# Altium PCB PCB4 - kopia.PcbDoc (continued)
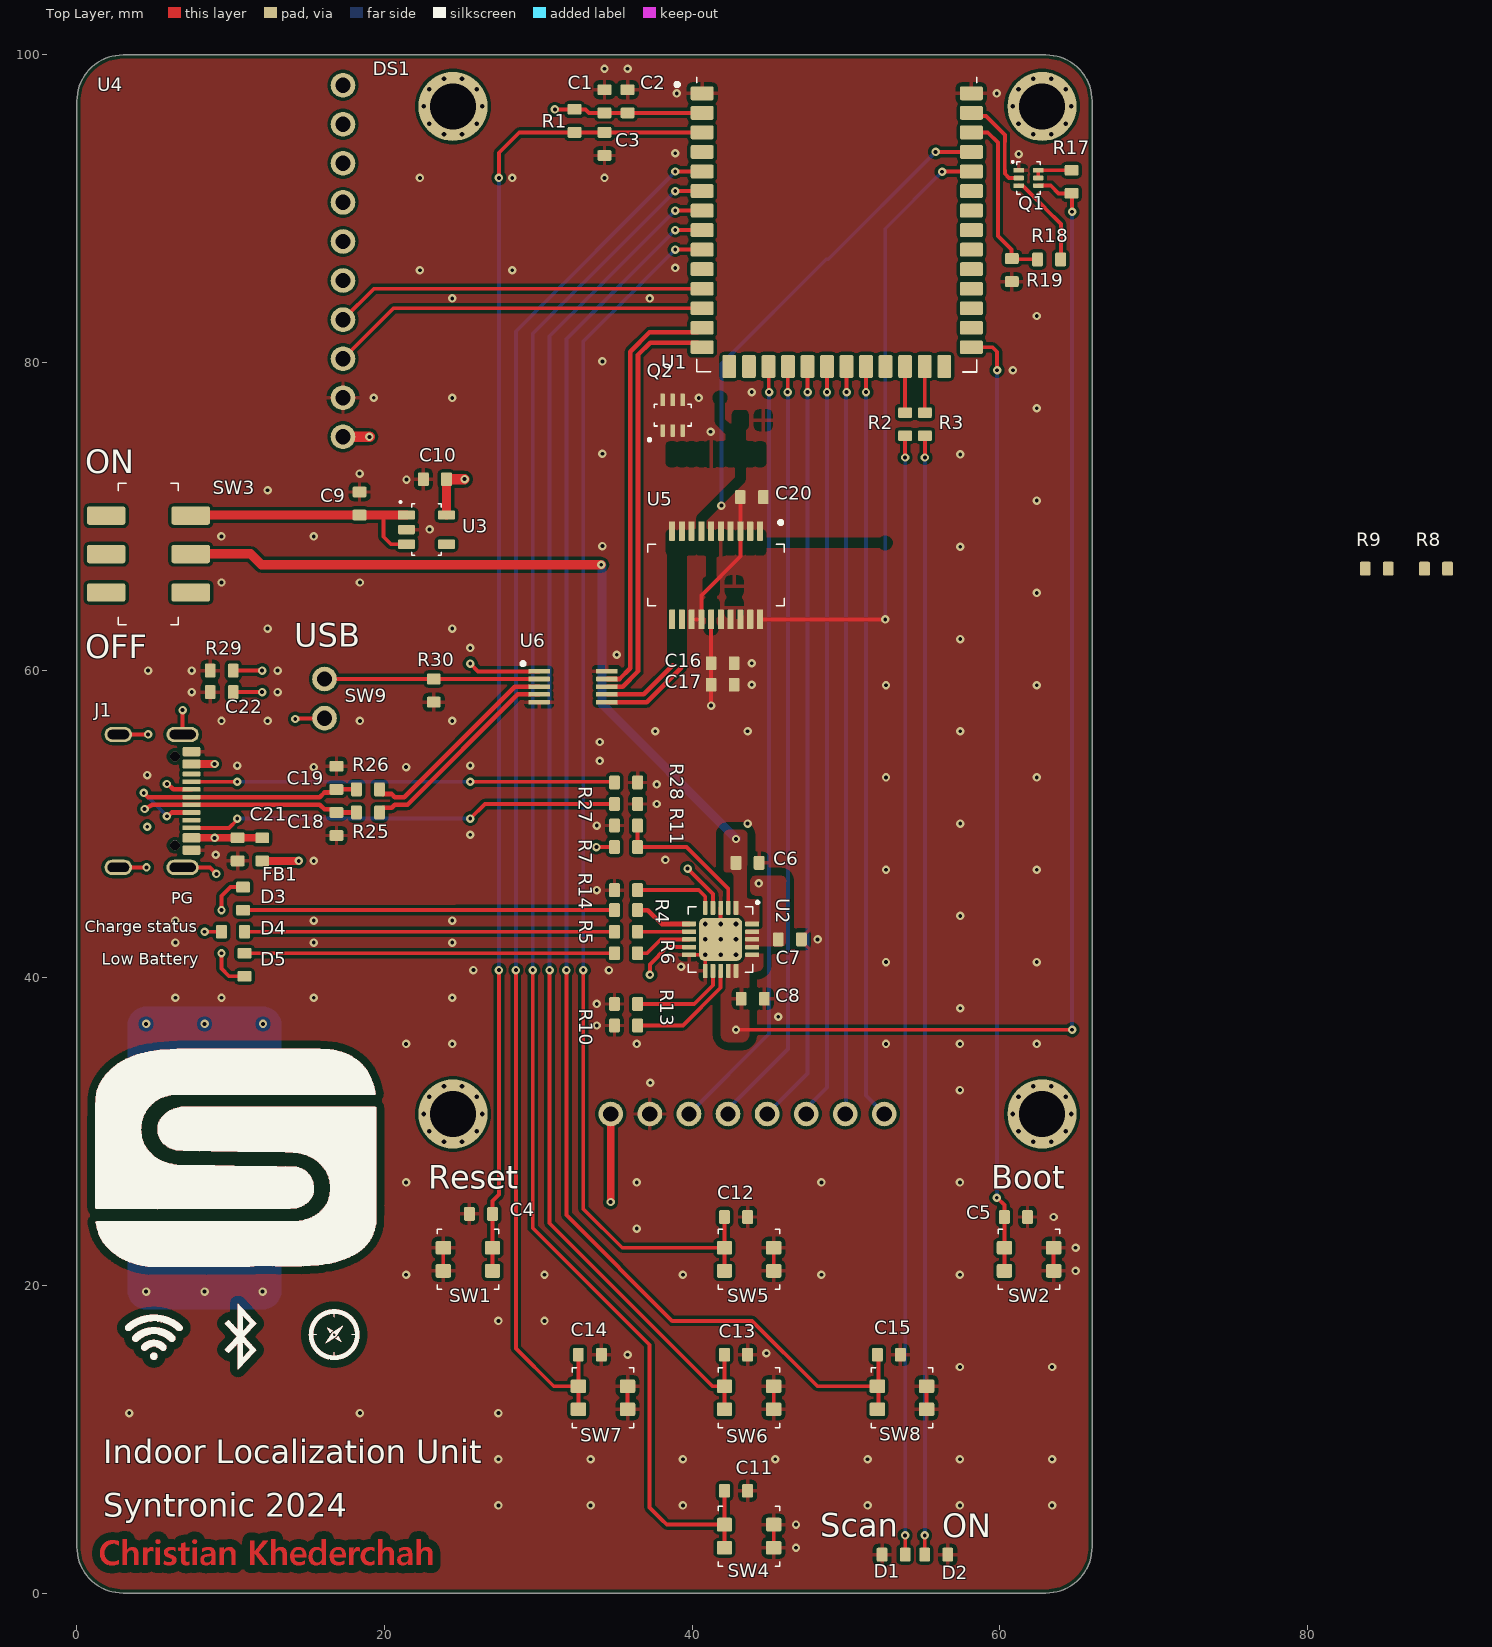
[diagram p0: Top Layer view]
## Components (designator, comment, footprint, x,y, rotation, side; value= is the part's Value field where it differs from the comment)
B1 "1200mAh" battery 8.3,28.3 r270 bottom
C1 "22 μF" "Capacitor 0603" 34.3,96.98 r270 top
C2 "0.1 μF" "Capacitor 0603" 35.8,96.98 r270 top
C3 "1 μF" "Capacitor 0603" 34.3,94.21 r90 top
C4 "0.1 μF" "Capacitor 0603" 26.27,24.65 r0 top
C5 "0.1 μF" "Capacitor 0603" 61.05,24.45 r0 top
C6 "4.7 μF" "Capacitor 0603" 43.6,47.475 r180 top
C7 "10 μF" "Capacitor 0603" 46.35,42.5 r180 top
C8 "4.7 μF" "Capacitor 0603" 43.939,38.637 r0 top
C9 "4.7 μF" "Capacitor 0603" 18.375,70.835 r270 top
C10 "4.7 μF" "Capacitor 0603" 23.278,72.41 r180 top
C11 "0.1 μF" "Capacitor 0603" 42.85,6.65 r180 top
C12 "0.1 μF" "Capacitor 0603" 42.85,24.45 r180 top
C13 "0.1 μF" "Capacitor 0603" 42.85,15.5 r180 top
C14 "0.1 μF" "Capacitor 0603" 33.35,15.5 r180 top
C15 "0.1 μF" "Capacitor 0603" 52.79,15.5 r180 top
C16 "0.1 μF" "Capacitor 0603" 41.983,60.45 r180 top
C17 "4.7 μF" "Capacitor 0603" 41.983,59.05 r180 top
C18 "47 pF" "Capacitor 0603" 16.875,50 r90 top
C19 "47 pF" "Capacitor 0603" 16.875,53 r270 top
C20 "0.1 μF" "Capacitor 0603" 43.875,71.25 r180 top
C21 "10 nF" "Capacitor 0603" 10.45,48.35 r90 top
C22 "4.7 μF" "Capacitor 0603" 9.414,58.573 r0 top
D1 "Blue" "LED 0603" 53.095,2.5 r180 top
D2 "Green" "LED 0603" 55.865,2.5 r0 top
D3 "Green" "LED 0603" 10.8,45.15 r270 top
D4 "Blue" "LED 0603" 10.15,43 r0 top
D5 "Red" "LED 0603" 10.9,40.85 r90 top
DS1 "FT231XS-R" SCREEN 43.6,63.9 r90 top locked
FB1 "0.6kΩ" "Ferrite Bead 0603" 12.05,48.35 r270 top
J1 "USB4105-GF-A" USB4105-GF-A 7.45,51.5 r270 top
Q1 "DMC2400UV-7" "MOSFET N/P-CH" 61.865,92 r270 top
Q2 "MBT3904DW1T1G" "2NPN transistor" 38.725,76.575 r0 top
R1 "10kΩ" "Resistor 0603" 32.35,95.71 r270 top
R2 "430Ω" "Resistor 0603" 53.845,75.992 r270 top
R3 "0.47kΩ" "Resistor 0603" 55.125,75.992 r270 top
R4 "0.47kΩ" "Resistor 0603" 35.697,44.403 r0 top
R5 "430Ω" "Resistor 0603" 35.7,43 r0 top
R6 "0.47kΩ" "Resistor 0603" 35.7,41.6 r0 top
R7 "330kΩ" "Resistor 0603" 35.7,48.5 r180 top
R8 "10kΩ" "Resistor 0603" 88.356,66.601 r0 top
R9 "10kΩ" "Resistor 0603" 84.506,66.601 r0 top
R10 "4.7kΩ" "Resistor 0603" 35.7,36.9 r180 top
R11 "110kΩ" "Resistor 0603" 35.7,49.9 r0 top
R13 "100kΩ" "Resistor 0603" 35.7,38.3 r180 top
R14 "10kΩ" "Thermistor 0603" 35.7,45.7 r180 top
R17 "110kΩ" "Resistor 0603" 64.665,91.75 r90 top
R18 "30kΩ" "Resistor 0603" 63.2,86.7 r0 top
R19 "110kΩ" "Resistor 0603" 60.781,86.01 r90 top
R25 "27Ω" "Resistor 0603" 18.925,50.75 r0 top
R26 "27Ω" "Resistor 0603" 18.925,52.25 r0 top
R27 "5.1kΩ" "Resistor 0603" 35.7,51.3 r180 top
R28 "5.1kΩ" "Resistor 0603" 35.7,52.7 r180 top
R29 "100kΩ" "Resistor 0603" 9.414,59.973 r0 top
R30 "10kΩ" "Resistor 0603" 23.2,58.675 r270 top
SW1 "R-667843" R-667843 25.42,21.7 r0 top
SW2 "R-667843" R-667843 61.9,21.7 r0 top
SW3 "JS202011SCQN" JS202011SCQN 4.65,67.55 r270 top
SW4 "R-667843" R-667843 43.7,3.7 r180 top
SW5 "R-667843" R-667843 43.7,21.7 r180 top
SW6 "R-667843" R-667843 43.7,12.7 r180 top
SW7 "R-667843" R-667843 34.2,12.7 r180 top
SW8 "R-667843" R-667843 53.64,12.7 r180 top
SW9 "JUMPER" JUMPER 16.1,58.155 r180 top
U1 "ESP32-S3-WROOM-1-N16" ESP32-C3-WROOM-1 49.4,97.5 r0 top locked
U2 "MCP73871T-2CCI/ML" MCP73871 41.85,42.5 r270 top
U3 "TLV75533PDBVR" TLV75533PDBVR 22.728,69.135 r0 top
U4 "YUMILI1otydzvg2c" GY-9250 17.3,86.6 r180 top
U5 "FT231XS-R" FT231XS-R 41.55,66.175 r180 top
U6 "FSUSB42MUX" FSUSB42MUX 32.25,58.925 r270 top

## Footprints (in the part's own frame and the unit in brackets; to place one, negate y for a bottom-side part, rotate by r counter-clockwise, add the part's x,y. Pads: shape width x height; smd on the part's side, far side on the other; paste and mask are expansions set on the pad)
"2NPN transistor" [mm]
  rrect25% 0.3x0.8 smd: 1(-0.65,-1) 2(0,-1) 3(0.65,-1) 4(-0.65,1) 5(0,1) 6(0.65,1)
  silkscreen extent -1.55,-1.65 1.2,0.7, body extent -1.01,-1.1 1.01,1.1, height 1.1
battery [mm]
  rrect25% 5x10 smd: +(-5,0) -(5,0)
"Capacitor 0603" [mm] "Capacitor0603"
  rrect25% 0.7x0.9 smd: A(-0.75,0) B(0.75,0)
  body extent -0.8,-0.4 0.8,0.4, height 0.9
ESP32-C3-WROOM-1 [mm] "MCU"
  rrect25% 1.5x0.9 smd: 1(-8.75,0) 2(-8.75,-1.27) 3(-8.75,-2.54) 4(-8.75,-3.81) 5(-8.75,-5.08) 6(-8.75,-6.35) 7(-8.75,-7.62) 8(-8.75,-8.89) 9(-8.75,-10.16) 10(-8.75,-11.43) 11(-8.75,-12.7) 12(-8.75,-13.97) 13(-8.75,-15.24) 14(-8.75,-16.51) 27(8.75,-16.51) 28(8.75,-15.24) 29(8.75,-13.97) 30(8.75,-12.7) 31(8.75,-11.43) 32(8.75,-10.16) 33(8.75,-8.89) 34(8.75,-7.62) 35(8.75,-6.35) 36(8.75,-5.08) 37(8.75,-3.81) 38(8.75,-2.54) 39(8.75,-1.27) 40(8.75,0)
  rrect25% 0.9x1.5 smd: 15(-6.985,-17.757) 16(-5.715,-17.757) 17(-4.445,-17.757) 18(-3.175,-17.757) 19(-1.905,-17.757) 20(-0.635,-17.757) 21(0.635,-17.757) 22(1.905,-17.757) 23(3.175,-17.757) 24(4.445,-17.757) 25(5.715,-17.757) 26(6.985,-17.757)
  silkscreen extent -10.49,-18.12 9.1,1.05, body extent -9,-18.01 9,7.49, height 3.25
"Ferrite Bead 0603" [mm] "Ferrite Bead 0603"
  rrect25% 0.7x0.9 smd: A(-0.75,0) B(0.75,0)
  body extent -0.8,-0.4 0.8,0.4, height 0.95
FSUSB42MUX [mm]
  rrect25% 0.3x1.4 smd: 1(-1,-2.2) 2(-0.5,-2.2) 3(0,-2.2) 4(0.5,-2.2) 5(1,-2.2) 6(1,2.2) 7(0.5,2.2) 8(0,2.2) 9(-0.5,2.2) 10(-1,2.2)
  silkscreen extent -1.6,-3.35 -1.4,-3.15, body extent -1.5,-2.45 1.5,2.45, height 1.1
FT231XS-R [mil] "USB to UART Bridge"
  rrect25% 15.75x50 smd mask+1.97: 1(-112.5,-113) 2(-87.5,-113) 3(-62.5,-113) 4(-37.5,-113) 5(-12.5,-113) 6(12.5,-113) 7(37.5,-113) 8(62.5,-113) 9(87.5,-113) 10(112.5,-113) 11(112.5,113) 12(87.5,113) 13(62.5,113) 14(37.5,113) 15(12.5,113) 16(-12.5,113) 17(-37.5,113) 18(-62.5,113) 19(-87.5,113) 20(-112.5,113)
  silkscreen extent -174,-139 174,79, body extent -171,-118 171,118, height 69
GY-9250 [mm] "IMU"
  round 1.6 hole 1: 1(0,11.43) 2(0,8.89) 3(0,6.35) 4(0,3.81) 5(0,1.27) 6(0,-1.27) 7(0,-3.81) 8(0,-6.35) 9(0,-8.89) 10(0,-11.43)
  body extent -1.5,-12.7 13.5,12.7, height 6.1
JS202011SCQN [mm] "SWITCH SLIDE DPDT 300MA 6V"
  rrect25% 1.2x2.5 smd: 1(-2.5,-2.75) 2(0,-2.75) 3(2.5,-2.75) 4(-2.5,2.75) 5(0,2.75) 6(2.5,2.75)
  silkscreen extent -4.6,-1.95 4.6,1.95, body extent -4.5,-3.75 4.5,3.75, height 5.51
JUMPER [mm]
  round 1.6 hole 1: A(0,1.27) B(0,-1.27)
  body extent -1.27,-2.67 1.27,2.54, height 7.88
"LED 0603" [mm] "Resistor 0603"
  rrect25% 0.7x0.9 smd: A(-0.75,0) B(0.75,0)
  body extent -0.8,-0.4 0.8,0.4, height 0.35
MCP73871 [mm]
  rrect25% 0.9x0.3 smd: 1(-2.05,1) 2(-2.05,0.5) 3(-2.05,0) 4(-2.05,-0.5) 5(-2.05,-1) 11(2.05,-1) 12(2.05,-0.5) 13(2.05,0) 14(2.05,0.5) 15(2.05,1)
  rrect25% 0.3x0.9 smd: 6(-1,-2.05) 7(-0.5,-2.05) 8(0,-2.05) 9(0.5,-2.05) 10(1,-2.05) 16(1,2.05) 17(0.5,2.05) 18(0,2.05) 19(-0.5,2.05) 20(-1,2.05)
  rrect25% 2.8x2.8 smd: 21(0,0)
  silkscreen extent -2.45,-2.1 2.12,2.45, body extent -2,-2 2,2, height 1
"MOSFET N/P-CH" [mm] "MOSFET N/P-CH"
  rrect25% 0.3x0.67 smd: 1(-0.5,-0.635) 2(0,-0.635) 3(0.5,-0.635) 4(-0.5,0.635) 5(0,0.635) 6(0.5,0.635)
  silkscreen extent -1.06,-1.03 1.06,0.76, body extent -0.8,-0.8 0.8,0.8, height 0.6
R-667843 [mm] "SWITCH TACTILE SPST-NO 0.05A 12V"
  rrect25% 1x0.9 smd: A(-1.6,-0.75) A(-1.6,0.75) B(1.6,-0.75) B(1.6,0.75)
  silkscreen extent -2,-1.95 2,1.95, body extent -1.95,-1.9 1.95,1.9, height 1.5
"Resistor 0603" [mm] "Resistor 0603"
  rrect25% 0.7x0.9 smd: A(-0.75,0) B(0.75,0)
  body extent -0.8,-0.4 0.8,0.4, height 0.55
SCREEN [mm]
  round 1.6 hole 1: 1(-32.75,8.89) 2(-32.75,6.35) 3(-32.75,3.81) 4(-32.75,1.27) 5(-32.75,-1.27) 6(-32.75,-3.81) 7(-32.75,-6.35) 8(-32.75,-8.89)
  round 4.5 hole 3: X(-32.75,-19.15) X(-32.75,19.15) X(32.75,-19.15) X(32.75,19.15)
  body extent -35.25,-21.65 35.25,21.65, height 7
"Thermistor 0603" [mm] "Thermistor 0603"
  rrect25% 0.7x0.9 smd: A(-0.75,0) B(0.75,0)
  body extent -0.8,-0.4 0.8,0.4, height 0.9
TLV75533PDBVR [mm] "IC REG LINEAR 3.3V 500MA SOT23-5"
  rrect25% 1.1x0.6 smd: 1(-1.3,0.95) 2(-1.3,0) 3(-1.3,-0.95) 4(1.3,-0.95) 5(1.3,0.95)
  silkscreen extent -1.7,-1.67 0.96,1.8, body extent -1.4,-1.45 1.4,1.45, height 1.45
USB4105-GF-A [mm] "CONN RCPT TYPE C 6P SMD RA"
  round 0.65 hole 0.65 unplated: 36(-2.89,-1.075) 36(2.89,-1.075)
  rrect25% 0.6x1.15 smd: A1(-3.2,0) A4(-2.4,0) B1(3.2,0) B4(2.4,0)
  rrect25% 0.3x1.15 smd: A5(-1.25,0) A6(-0.25,0) A7(0.25,0) A8(1.25,0) B5(1.75,0) B6(0.75,0) B7(-0.75,0) B8(-1.75,0)
  oval 1x2.1 hole 0.6 slot 1.7 at 90 deg: SHELL(-4.32,-0.575) SHELL(4.32,-0.575)
  oval 1x1.8 hole 0.6 slot 1.4 at 90 deg: SHELL(-4.32,-4.755) SHELL(4.32,-4.755)
  body extent -4.47,-7.35 4.47,0.36, height 3.31

## Part data
B1: library part Battery, "Lipobatteri - 103040 - 1.200 mAh", Manufacturer=batterikungen, Manufacturer Part Number=103040, Supplier Part Number 1=827-016, Supplier 1=Batterikungen
C1: library part "22 μF 0603", "Capacitor 22 μF", Manufacturer="Murata Electronics", Manufacturer Part Number=GRM188R60G226MEA0D, Supplier Part Number 1=490-5526-1-ND, Supplier 1=Digikey
C2 C4 C5 C11 C12 C13 C14 C15 C16 C20: library part "0.1 μF 0603", "Capacitor 0.1 μF", Manufacturer="Samsung Electro-Mechanics", Manufacturer Part Number=CL10B104KB8NNWC, Supplier Part Number 1=1276-1935-1-ND, Supplier 1=Digikey
C3: library part "1 μF 0603", "Capacitor 1 μF", Manufacturer="Samsung Electro-Mechanics", Manufacturer Part Number=CL10A105KA8NNNC, Supplier Part Number 1=1276-1102-1-ND, Supplier 1=Digikey
C6 C8 C9 C10 C17 C22: library part "4,7 μF 0603", "Capacitor 4.7 μF", Manufacturer="Samsung Electro-Mechanics", Manufacturer Part Number=CL10A475KP8NNNC, Supplier Part Number 1=1276-1044-1-ND, Supplier 1=Digikey
C7: library part "10 μF 0603", "Capacitor 10 μF", Manufacturer="Samsung Electro-Mechanics", Manufacturer Part Number=CL10A106MQ8NNNC, Supplier Part Number 1=1276-1119-1-ND, Supplier 1=Digikey
C18 C19: library part "47 pF 0603", "Capacitor 47 pF", Manufacturer="Walsin Technology Corporation", Manufacturer Part Number=0603N470J500CT, Supplier Part Number 1=1292-1528-1-ND, Supplier 1=Digikey
C21: library part "10 nF 0603", "Capacitor 10 nF", Manufacturer="Samsung Electro-Mechanics", Manufacturer Part Number=CL10B103KB8NNNC, Supplier Part Number 1=1276-1009-1-ND, Supplier 1=Digikey
D1 D4: library part D.Blue, "Diode Blue", Manufacturer="Lite-On Inc.", Manufacturer Part Number=LTST-C193TBKT-5A, Supplier Part Number 1=160-1827-1-ND, Supplier 1=Digikey
D2 D3: library part D.Green, "Diode Green", Manufacturer="Lumex Opto/Components Inc.", Manufacturer Part Number=SML-LXFT0603GC-TR, Supplier Part Number 1=67-SML-LXFT0603GC-TRCT-ND, Supplier 1=Digikey
D5: library part D.Red, "Diode Red", Manufacturer="Lite-On Inc.", Manufacturer Part Number=LTST-C190KRKT, Supplier Part Number 1=160-1436-1-ND, Supplier 1=Digikey
DS1: library part LCD-screen, "240×320, General 2.4inch LCD Display Module, 65K RGB", Manufacturer="FTDI, Future Technology Devices International Ltd", Supplier Part Number 1=768-1129-1-ND, Manufacturer Part Number=FT231XS-R, Supplier 1=Waveshare
FB1: library part "FB 0.6 kΩ 0603", "Ferrite Bead 600 Ω", Manufacturer="Murata Electronics", Manufacturer Part Number=BLM18AG601SN1D, Supplier Part Number 1=490-1014-1-ND, Supplier 1=Digikey
J1: "CONN RCPT TYPE C 6P SMD RA", Manufacturer=GCT, Supplier Part Number 1=2073-USB4105-GF-ACT-ND, Manufacturer Part Number=USB4105-GF-A, Supplier 1=Digikey
Q1: "MOSFET N/P-CH 20V SOT563", Manufacturer="Diodes Incorporated", Supplier Part Number 1=DMC2400UV-7DICT-ND, Manufacturer Part Number=DMC2400UV-7, Supplier 1=Digikey
Q2: "TRANS 2NPN 40V 0.2A SC88/SC70-6", Manufacturer=onsemi, Supplier Part Number 1=MBT3904DW1T1GOSCT-ND, Manufacturer Part Number=MBT3904DW1T1G, Supplier 1=Digikey
R1 R8 R9 R30: library part "10 kΩ 0603", "Resistor 10000 Ω", Manufacturer="Stackpole Electronics Inc", Manufacturer Part Number=RMCF0603FT10K0, Supplier Part Number 1=RMCF0603FT10K0CT-ND, Supplier 1=Digikey
R2 R5: library part "430 Ω 0603", "Resistor 430 Ω", Manufacturer="Stackpole Electronics Inc", Manufacturer Part Number=RMCF0603JT430R, Supplier Part Number 1=RMCF0603JT430RCT-ND, Supplier 1=Digikey
R3 R4 R6: library part "0.47 kΩ 0603", "Resistor 470 Ω", Manufacturer="Stackpole Electronics Inc", Manufacturer Part Number=RMCF0603FT470R, Supplier Part Number 1=RMCF0603FT470RCT-ND, Supplier 1=Digikey
R7: library part "330 kΩ 0603", "Resistor 330000 Ω", Manufacturer=YAGEO, Manufacturer Part Number=RC0603JR-07330KL, Supplier Part Number 1=311-330KGRCT-ND, Supplier 1=Digikey
R10: library part "4.7 kΩ 0603", "Resistor 4700 Ω", Manufacturer="Stackpole Electronics Inc", Manufacturer Part Number=RMCF0603FT4K70, Supplier Part Number 1=RMCF0603FT4K70CT-ND, Supplier 1=Digikey
R11 R17 R19: library part "110 kΩ 0603", "Resistor 110000 Ω", Manufacturer="Stackpole Electronics Inc", Manufacturer Part Number=RMCF0603FT110K, Supplier Part Number 1=RMCF0603FT110KCT-ND, Supplier 1=Digikey
R13 R29: library part "100 kΩ 0603", "Resistor 100000 Ω", Manufacturer="Stackpole Electronics Inc", Manufacturer Part Number=RMCF0603FT100K, Supplier Part Number 1=RMCF0603FT100KCT-ND, Supplier 1=Digikey
R14: library part "NTC 10 KΩ 0603", "Thermistor 10000 Ω", Manufacturer="Panasonic Electronic Components", Manufacturer Part Number=ERT-J1VR103J, Supplier Part Number 1=P10547CT-ND, Supplier 1=Digikey
R18: library part "30 kΩ 0603", "Resistor 30000 Ω", Manufacturer=YAGEO, Manufacturer Part Number=RC0603FR-0730KL, Supplier Part Number 1=311-30.0KHRCT-ND, Supplier 1=Digikey
R25 R26: library part "27 Ω 0603", "Resistor 27 Ω", Manufacturer="Stackpole Electronics Inc", Manufacturer Part Number=RMCF0603FT27R0, Supplier Part Number 1=RMCF0603FT27R0CT-ND, Supplier 1=Digikey
R27 R28: library part "5.1 kΩ 0603", "Resistor 5100 Ω", Manufacturer="Stackpole Electronics IncStackpole Electronics Inc", Manufacturer Part Number=RMCF0603FT5K10, Supplier Part Number 1=RMCF0603FT5K10CT-ND, Supplier 1=Digikey
SW1 SW2 SW4 SW5 SW6 SW7 SW8: "SWITCH TACTILE SPST-NO 0.05A 12V", Manufacturer="Mitsumi Electric Company Ltd", Supplier Part Number 1=2508-R-667843CT-ND, Manufacturer Part Number=R-667843, Supplier 1=Digikey
SW3: "SWITCH SLIDE DPDT 300MA 6V", Manufacturer=C&K, Supplier Part Number 1=401-2002-1-ND, Manufacturer Part Number=JS202011SCQN, Supplier 1=Digikey
SW9: library part Jumper
U1: "RF TXRX MODULE BT PCB TRACE SMD", Manufacturer="Espressif Systems", Supplier Part Number 1=1965-ESP32-S3-WROOM-1-N16CT-ND, Manufacturer Part Number=ESP32-S3-WROOM-1-N16, Supplier 1=Digikey
U2: library part MCP73871, "IC BATT CHG LI-ION 1CELL 20QFN", Manufacturer="Microchip Technology", Supplier Part Number 1=MCP73871T-2CCI/MLDKR-ND, Manufacturer Part Number=MCP73871T-2CCI/ML, Supplier 1=Digikey
U3: "IC REG LINEAR 3.3V 500MA SOT23-5", Manufacturer="Texas Instruments", Supplier Part Number 1=296-50411-1-ND, Manufacturer Part Number=TLV75533PDBVR, Supplier 1=Digikey
U4: library part GY-9250, "YUMILI Gyroskopmodul MPU-9250 GY-9250 9-axel 16-bitars", Manufacturer=YUMILI, Supplier Part Number 1=B09XZQNQBV, Manufacturer Part Number=YUMILI1otydzvg2c, Supplier 1=Amazon
U5: library part FT231XS-R_1, "IC USB SERIAL FULL UART 20SSOP", Manufacturer="FTDI, Future Technology Devices International Ltd", Supplier Part Number 1=768-1129-1-ND, Manufacturer Part Number=FT231XS-R, Supplier 1=Digikey
U6: "IC USB SWITCH DPDT 10MSOP", Manufacturer=onsemi, Supplier Part Number 1=FSUSB42MUXCT-ND, Manufacturer Part Number=FSUSB42MUX, Supplier 1=Digikey

## Via types
v1: diameter 0.55, hole 0.25, Top Layer to Bottom Layer, tented both sides, 208 vias
v2: diameter 0.45, hole 0.3, Top Layer to Bottom Layer, 40 vias
v3: diameter 0.5, hole 0.3, Top Layer to Bottom Layer, 9 vias
v4: diameter 0.55, hole 0.25, Top Layer to Bottom Layer, 8 vias

## Nets (pads, with @x,y where several pads share a name; then routed paths per layer and width w, separated by ;. In a path a pad name is that pad's centre, name@x,y a point inside that pad or via, vN(x,y) a via of type N, cw(c..) or ccw(c..) an arc to the next point about the centre after c; other vN are vias at no path point)
+3V3: C1.B C2.B C10.A DS1.1 R1.A U1.2 U3.5 U4.1 | length 20.6
  Top Layer w0.25: v1(31.075,96.46) 33.065,96.46 33.295,96.23 C2.B U1.2
  Top Layer w0.5: v1@34.71,25.435 DS1.1
  Top Layer w0.6: U3.5 C10.A ; v1@25.185,72.41 v1(25.2,72.425)
  Top Layer w0.7: U4.1 v1(19.02,75.17) ; C10.A v1@25.185,72.41
  other v1: 34.7,25.425
A_n: U5.12 U6.6 | length 5.7
  Top Layer w0.3: U6.6 37.057,57.925 39.278,60.145
A_p: U5.11 U6.7 | length 5.1
  Top Layer w0.3: U6.7 36.85,58.425 38.743,60.317
B_n: U1.14 U6.8 | length 27.6
  Top Layer w0.3: U6.8 35.48,58.925 36.475,59.92 36.475,80.5 37.265,81.29 40.35,81.29 U1.14
B_p: U1.13 U6.9 | length 27.7
  Top Layer w0.3: U6.9 35.273,59.425 35.975,60.127 35.975,80.707 37.228,81.96 40.35,81.96 U1.13
C_n: R25.B U6.4 | length 13.6
  Top Layer w0.3: R25.B 19.675,50.85 19.875,51.05 20.475,51.05 20.675,51.25 21.493,51.25 28.668,58.425 U6.4
C_p: R26.B U6.3 | length 13.6
  Top Layer w0.3: R26.B 19.675,52.15 19.875,51.95 20.475,51.95 20.675,51.75 21.286,51.75 28.461,58.925 U6.3
D_n: C18.B J1.A7 J1.B7 R25.A | length 18
  Top Layer w0.3: v1(4.4,50.975) 4.914,51.25 J1.A7 15.8,51.25 16.1,50.95 16.675,50.95 C18.B R25.A ; v1(5.85,52.6) 5.918,52.6 6.268,52.25 J1.B7
  Int2 (PWR) w0.25: v1(4.4,50.975) 4.457,51.032 4.457,51.207 v1(5.85,52.6)
D_p: C19.B J1.A6 J1.B6 R26.A | length 18
  Top Layer w0.3: v1(4.35,52.025) 4.625,51.75 J1.A6 15.8,51.75 16.1,52.05 16.675,52.05 C19.B R26.A ; v1(5.85,50.5) 5.918,50.5 6.168,50.75 J1.B6
  Bottom Layer w0.25: v1@4.344,52.019 5.85,50.512 v1(5.85,50.5)
GND: B1.- C1.A C2.A C3.A C4.A C5.B C6.A C7.A C8.B C9.A C10.B C11.A C12.A C13.A C14.A C15.A C16.A C17.A C18.A C19.A C20.A C21.A C22.A D1.B D2.B DS1.2 J1.A1 J1.B1 Q1.1 R10.B R11.A R13.B R14.B R19.A R27.A R28.A R29.A R30.B SW1.A SW2.B SW4.A SW5.A SW6.A SW7.A SW8.A U1.1 U1.40 U2.3 U2.10 U2.11 U2.21 U3.2 U4.2 U5.6 U5.16 U6.5 U6.10 | length 13.7
  Top Layer w0.25: SW1.A@23.82,20.95 SW1.A@23.82,22.45 ; SW7.A@35.8,11.95 SW7.A@35.8,13.45 ; DS1.2 DS1.2@37.275,31.175 ; U2.10 v3(40.85,41.5) U2.11 ; v3(41.85,43.5) U2.3 ; SW4.A@45.3,2.95 SW4.A@45.3,4.45 ; SW6.A@45.3,11.95 SW6.A@45.3,13.45 ; SW5.A@45.3,20.95 SW5.A@45.3,22.45 ; SW8.A@55.24,11.95 SW8.A@55.24,13.45 ; SW2.B@63.5,20.95 SW2.B@63.5,22.45
  other v1: 46.75,2.95 46.75,4.45 27.4,5.7 33.4,5.7 39.4,5.7 51.4,5.7 57.4,5.7 63.4,5.7 33.4,8.7 39.4,8.7 45.4,8.7 51.4,8.7 57.4,8.7 63.4,8.7 3.4,11.7 18.4,11.7 27.4,11.7 57.4,14.7 63.4,14.7 35.8,15.5 44.825,15.594 27.4,17.7 30.4,17.7 4.5,19.6 8.3,19.6 12.075,19.6 21.4,20.7 30.4,20.7 39.4,20.7 48.4,20.7 57.4,20.7 64.925,20.95 64.925,22.45 36.4,23.7 63.5,24.45 21.4,26.7 36.4,26.7 48.4,26.7 57.4,26.7 57.4,32.7 37.275,33.175 21.4,35.7 24.4,35.7 36.4,35.7 52.6,35.7 57.4,35.7 62.4,35.7 33.8,36.9 45.594,37.465 57.425,38.025 33.8,38.3 6.4,38.7 9.4,38.7 15.4,38.7 24.4,38.7 39.275,40.719 52.6,41.025 62.4,41.025 6.4,42.29 15.4,42.29 24.4,42.29 48.15,42.5 6.4,43.719 15.4,43.719 24.4,43.719 57.425,44.025 33.8,45.7 52.6,47.025 62.4,47.025 15.4,47.6 38.262,47.667 9.025,48 25.575,49.3 33.8,49.9 57.425,50.025 37.7,51.3 37.7,52.577 52.6,53.025 62.4,53.025 4.575,53.18 15.4,53.7 21.4,53.7 10.425,53.8 25.575,53.8 33.99,54.106 33.99,55.331 37.6,56.025 43.6,56.025 57.425,56.025 9.4,56.7 12.4,56.7 18.4,56.7 24.4,56.7 7.464,58.573 13.05,58.573 52.6,59.025 62.4,59.025 43.875,59.05 4.625,59.973 7.464,59.973 13.05,59.975 43.875,60.45 35.1,61 57.425,62.025 12.4,62.7 24.4,62.7 62.4,65.025 9.4,65.7 18.4,65.7 57.425,68.025 34.165,68.07 9.4,68.7 15.4,68.7 22.925,69.15 62.4,71.025 12.4,71.7 21.428,72.385 18.375,72.775 57.425,74.025 34.165,74.07 41.199,75.5 62.4,77.025 19.3,77.71 24.4,77.7 40.425,77.7 43.875,78.075 34.165,80.07 62.4,83.025 24.4,84.168 37.238,84.168 22.3,86 28.3,86 22.3,92 28.3,92 34.3,92 61.23,93.55 39,97.5 59.8,97.5 34.3,99.1 35.8,99.1
  other v3: 41.85,41.5 42.85,41.5 40.85,42.5 41.85,42.5 42.85,42.5 40.85,43.5 42.85,43.5
  other v4: 27.4,8.7 25.775,40.5 34.585,40.5 43.6,50.025 25.575,61.45 60.85,79.5 38.9,86.15 38.9,93.61
NetC3_B: C3.B C4.B Q2.3 R1.B SW1.B U1.3 | length 86.5
  Top Layer w0.25: SW1.B@27.02,20.95 SW1.B@27.02,22.45 ; SW1.B@27.02,22.53 C4.B 27.02,25.5 27.44,25.92 v1(27.44,40.5) ; v1(27.44,92) 27.44,93.64 28.76,94.96 R1.B C3.B U1.3
  Bottom Layer w0.25: v1(27.44,40.5) v1(27.44,92)
NetC5_A: C5.A Q2.6 SW2.A U1.27 | length 61.8
  Top Layer w0.25: U1.27 59.535,80.99 59.825,80.7 v1(59.825,79.5) ; v1(59.8,25.7) 59.825,25.7 60.3,25.225 C5.A 60.3,22.45 SW2.A@60.3,20.95
  Bottom Layer w0.25: v1(59.8,25.7) 59.812,25.712 59.812,79.487 v1(59.825,79.5)
NetC9_B: C9.B SW3.4 U3.1 U3.3 | length 17.2
  Top Layer w0.25: 19.928,70.085 19.928,68.672 20.415,68.185 U3.3
  Top Layer w0.6: SW3.4@7.35,70.085 C9.B 19.928,70.085 U3.1
NetC11_B: C11.B SW4.B U1.6 | length 103.4
  Top Layer w0.25: v1(29.632,40.5) 29.632,23.743 37.225,16.15 37.225,6.185 37.228,6.182 37.228,5.572 38.018,4.783 38.35,4.45 40.899,4.45 SW4.B@42.1,4.45 ; v1(38.9,91.15) U1.6 ; SW4.B@42.1,2.95 SW4.B@42.1,4.45 ; C11.B SW4.B@42.1,4.45
  Bottom Layer w0.25: v1(29.632,40.5) 29.632,81.882 v1(38.9,91.15)
NetC12_B: C12.B SW5.B U1.9 | length 80.3
  Top Layer w0.25: v1(32.92,40.5) 32.92,24.98 35.45,22.45 SW5.B@42.1,22.45 ; v1(38.9,87.34) U1.9 ; SW5.B@42.1,20.95 SW5.B@42.1,22.45 ; C12.B SW5.B@42.1,22.45
  Bottom Layer w0.25: v1(32.92,40.5) 32.92,81.36 v1(38.9,87.34)
NetC13_B: C13.B SW6.B U1.7 | length 90.3
  Top Layer w0.25: v1(30.728,40.5) 30.728,24.047 41.325,13.45 42.012,13.45 SW6.B@42.1,13.362 ; v1(38.9,89.88) U1.7 ; SW6.B@42.1,11.95 SW6.B@42.1,13.362 ; C13.B 42.1,13.45 SW6.B@42.1,13.362 ; SW6.B@42.108,13.354 SW6.B@42.1,13.362
  Bottom Layer w0.25: v1(30.728,40.5) 30.728,81.308 30.728,81.708 v1(38.9,89.88)
NetC14_B: C14.B SW7.B U1.5 | length 91.2
  Top Layer w0.25: v1(28.536,40.5) 28.536,15.911 30.997,13.45 SW7.B@32.6,13.45 ; SW7.B@32.6,11.95 SW7.B@32.6,13.45 ; C14.B SW7.B@32.6,13.45 ; v1(38.9,92.42) U1.5
  Bottom Layer w0.25: v1(28.536,40.5) 28.536,82.036 v1@38.91,92.41
NetC15_B: C15.B SW8.B U1.8 | length 97.2
  Top Layer w0.25: v1(31.824,40.5) 31.824,24.576 38.7,17.7 43.9,17.7 48.15,13.45 SW8.B@52.04,13.45 ; v1(38.9,88.61) U1.8 ; SW8.B@52.12,11.95 52.12,13.45 C15.B@52.12,15.5
  Top Layer w0.3: SW8.B@52.04,13.45 SW8.B@52.12,13.45
  Bottom Layer w0.25: v1(31.824,40.5) 31.824,81.534 v1(38.9,88.61)
NetC20_B: C20.B U5.3 U5.13 U5.14 | length 9.6
  Top Layer w0.25: U5.13 U5.14 40.598,64.866 43.138,67.406 U5.3 ; U5.3@43.144,69.052 C20.B@43.144,71.231
NetC22_B: C22.B J1.SHELL R29.B | length 11.5
  Top Layer w0.25: J1.SHELL@2.695,47.18 v1(4.525,47.18) ; J1.SHELL@2.695,55.82 v1(4.625,55.82) ; J1.SHELL@6.875,47.18 8.647,47.18 v1(9.075,46.753) ; J1.SHELL@6.875,55.82 v1(6.875,57.4) ; C22.B v1(12.041,58.573) ; R29.B@10.165,59.974 12.04,59.974 v1(12.041,59.975)
  other v1: 4.575,49.82
NetD1_A: D1.A R2.B | length 72.7
  Top Layer w0.25: v1(53.845,73.825) R2.B ; D1.A@53.847,2.502 v1@53.847,3.748
  Bottom Layer w0.25: v1@53.847,3.752 v1@53.847,73.825
  other v1: 53.845,3.75
NetD2_A: D2.A R3.B | length 72.8
  Top Layer w0.25: D2.A v1(55.115,3.75) ; v1(55.125,73.825) R3.B
  Bottom Layer w0.25: v1@55.125,3.725 v1(55.125,73.825)
NetD3_B: D3.B R4.A | length 24.1
  Top Layer w0.25: D3.B 24.622,44.4 24.625,44.403 R4.A
NetD4_B: D4.B R5.A | length 24
  Top Layer w0.25: D4.B R5.A
NetD5_B: D5.B R6.A | length 24
  Top Layer w0.25: D5.B R6.A
NetDS1_3: DS1.3 U1.17 | length 50.8
  Top Layer w0.25: U1.17 44.977,79.721 44.977,78.098 v1(45,78.075)
  Bottom Layer w0.25: DS1.3 45,36.36 v1(45,78.075)
NetDS1_4: DS1.4 U1.18 | length 50.2
  Top Layer w0.25: v1@46.213,78.092 U1.18@46.213,79.731
  Bottom Layer w0.25: DS1.4 42.33,31.477 46.225,35.372 v1@46.225,78.075
  other v1: 46.2,78.075
NetDS1_5: DS1.5 U1.19 | length 49.9
  Top Layer w0.25: v1@47.497,78.092 U1.19@47.497,79.741
  Bottom Layer w0.25: DS1.5 47.5,33.78 v1@47.5,78.3
  other v1: 47.5,78.075
NetDS1_6: DS1.6 U1.20 | length 49.1
  Top Layer w0.25: v1@48.765,78.092 U1.20
  Bottom Layer w0.25: DS1.6 47.41,31.515 48.765,32.87 v1(48.765,78.075)
NetDS1_7: DS1.7 U1.21 | length 48.7
  Top Layer w0.25: v1@50.035,78.092 U1.21
  Bottom Layer w0.25: DS1.7@49.993,31.192 v1@49.993,78.258
  other v1: 50.035,78.075
NetDS1_8: DS1.8 U1.22 | length 49.1
  Top Layer w0.25: v1@51.302,78.092 U1.22@51.302,79.74
  Bottom Layer w0.25: v1(51.3,78.075) 51.3,32.34 DS1.8
NetJ1_A5: J1.A5 R28.B | length 27.5
  Top Layer w0.25: J1.A5 v1(10.425,52.75) ; v1(25.575,52.75) R28.B@34.9,52.75
  Bottom Layer w0.25: v1(10.425,52.75) v1(25.575,52.75)
NetJ1_B5: J1.B5 R27.B | length 28.2
  Top Layer w0.25: J1.B5 9.899,49.75 10.425,50.276 v1(10.425,50.35) ; v1@25.55,50.325 v1(25.575,50.35) 26.525,51.3 R27.B
  Bottom Layer w0.25: v1@10.438,50.337 v1(10.425,50.35) v1(25.575,50.35)
NetQ1_2: Q1.2 U1.39 | length 6.3
  Top Layer w0.25: 60.325,92.483 60.325,94.379
  Top Layer w0.254: U1.39 58.36,96.02 59.105,96.02 60.325,94.8 60.325,94.379 ; 60.327,92.483 60.327,92.273 60.6,92 Q1.2
NetQ1_3: Q1.3 R18.B | length 6.1
  Top Layer w0.25: 62.915,90.067 63.976,89.005 63.976,86.726 R18.B
  Top Layer w0.254: Q1.3 61.253,91.477 61.504,91.477 62.915,90.067
NetQ1_4: Q1.4 Q1.5 R17.B | length 2.7
  Top Layer w0.25: Q1.5 Q1.4 R17.B
NetQ2_1: Q2.1 R9.A U5.1
NetQ2_2: Q2.2 R8.B
NetQ2_4: Q2.4 R8.A U5.2
NetQ2_5: Q2.5 R9.B
NetR2_A: R2.A U1.24 | length 3
  Top Layer w0.25: R2.A U1.24
NetR3_A: R3.A U1.25 | length 3
  Top Layer w0.25: U1.25 55.124,79.118 55.124,76.967 R3.A
NetR4_B: R4.B U2.6 | length 3.7
  Top Layer w0.3: R4.B 37.117,44.403 38.02,43.5 U2.6
NetR5_B: R5.B U2.7 | length 3.3
  Top Layer w0.25: R5.B U2.7
NetR6_B: R6.B U2.8 | length 3.7
  Top Layer w0.25: R6.B 37.056,41.6 37.956,42.5 U2.8
NetR7_A: R7.A R11.B U2.2 | length 9.7
  Top Layer w0.25: R11.B R7.A 39.625,48.5 42.35,45.775 U2.2
NetR10_A: R10.A U2.13 | length 7.5
  Top Layer w0.25: R10.A 39.396,36.9 41.85,39.354 U2.13
NetR13_A: R13.A U2.12 | length 6.3
  Top Layer w0.25: R13.A 40.137,38.3 41.35,39.513 U2.12
NetR14_A: R14.A U2.5 | length 5.3
  Top Layer w0.25: R14.A 40.425,45.7 40.85,45.275 U2.5
NetR18_A: R18.A R19.B U1.38 | length 11.6
  Top Layer w0.25: U1.38 59.215,94.96 59.875,94.3 59.875,88.225 60.762,87.338 60.762,86.778 60.83,86.711 R18.A@62.439,86.711
NetR30_A: R30.A SW9.B U6.2 | length 13.9
  Top Layer w0.25: SW9.B 20.7,59.425 U6.2
NetU1_11: U1.11 U4.4 | length 24.2
  Top Layer w0.25: U4.4 19.31,84.8 U1.11
NetU1_12: U1.12 U4.3 | length 24.7
  Top Layer w0.25: U4.3 20.58,83.53 U1.12
NetU1_36: U1.36 U5.20 | length 40.7
  Top Layer w0.25: U5.20 v1(52.55,63.305) ; v1(56.25,92.4) 56.27,92.42 U1.36
  Bottom Layer w0.25: v1(52.55,63.305) 52.55,88.7 v1(56.25,92.4)
NetU1_37: U1.37 U5.4 | length 31.1
  Top Layer w0.25: v1(55.825,93.694) 55.827,93.692 58.049,93.692 U1.37@58.051,93.694
  Bottom Layer w0.25: v1(41.9,70.7) 41.9,79.9 48.718,86.718 48.849,86.718 v1(55.825,93.694)
VBat: B1.+ C8.A Q1.6 R17.A U2.14 U2.15 U2.16 | length 79.1
  Top Layer w0.25: v1(42.85,36.625) v1(64.7,36.625) ; Q1.6 63.307,91.5 63.807,91 R17.A ; R17.A@64.651,91 64.7,90.951 v1(64.7,89.8)
  Bottom Layer w0.25: B1.+@8,33 cw(c8.3,33) B1.+ ; v1(64.7,36.625) v1(64.7,89.8)
  other v1: 4.5,37 8.3,37 12.1,37
VBUS: C7.B C16.B C17.B D3.A D4.A D5.A FB1.B R7.B SW9.A U2.4 U2.9 U2.17 U2.18 U2.19 U5.15 U6.1 | length 29.2
  Top Layer w0.25: v1(8.3,43) D4.A ; v1(9.4,41.6) 9.4,40.596 9.896,40.1 D5.A ; v1@9.4,44.3 v1(9.4,44.4) 9.4,45.325 9.975,45.9 D3.A ; v1(14.2,56.825) 14.23,56.855 16.088,56.855 SW9.A@16.1,56.867 ; v1(25.575,60.425) 26.075,59.925 U6.1 ; v1(33.775,48.5) R7.B ; v1(37.25,40.2) 37.25,40.875 38.375,42 U2.9 ; v1(39.7,47.1) 41.35,45.45 U2.4 ; v1(41.233,57.7) C17.B C16.B U5.15 ; C7.B@45.6,42.8 45.6,42.813 C7.B@45.612,42.825
  Top Layer w0.5: FB1.B v1(14.425,47.6)
  Int2 (PWR) w0.25: v1(37.25,40.2) v1@37.26,40.19
  other v1: 44.331,46.139
VCharger: C6.B SW3.5 U2.1 U2.20 | length 48.4
  Top Layer w0.6: SW3.5@7.413,67.563 11.288,67.563 12,66.85 v1(34.085,66.85)
  Bottom Layer w0.6: v1@34.144,66.85 34.144,57.781 v1@42.875,49.05
  other v1: 42.85,49.025
VUSB: C21.B FB1.A J1.A4 J1.B4 | length 10.9
  Top Layer w0.5: J1.B4 v1(8.95,49.1) C21.B FB1.A ; J1.A4 v1(8.95,53.9)
  Int2 (PWR) w0.5: v1(8.95,49.1) v1(8.95,53.9)
pads on no net: DS1.X J1.36 J1.A8 J1.B8 SW3.1 SW3.2 SW3.3 SW3.6 U1.4 U1.10 U1.15 U1.16 U1.23 U1.26 U1.28 U1.29 U1.30 U1.31 U1.32 U1.33 U1.34 U1.35 U3.4 U4.5 U4.6 U4.7 U4.8 U4.9 U4.10 U5.5 U5.7 U5.8 U5.9 U5.10 U5.17 U5.18 U5.19
copper on no net:
  other v2: 23.863,29.343 25.037,29.343 62.163,29.343 63.337,29.343 22.913,30.033 25.987,30.033 61.213,30.033 64.287,30.033 22.55,31.15 26.35,31.15 60.85,31.15 64.65,31.15 22.913,32.267 25.987,32.267 61.213,32.267 64.287,32.267 23.863,32.957 25.037,32.957 62.163,32.957 63.337,32.957 23.863,94.843 25.037,94.843 62.163,94.843 63.337,94.843 22.913,95.533 25.987,95.533 61.213,95.533 64.287,95.533 22.55,96.65 26.35,96.65 60.85,96.65 64.65,96.65 22.913,97.767 25.987,97.767 61.213,97.767 64.287,97.767 23.863,98.457 25.037,98.457 62.163,98.457 63.337,98.457

## Polygon pours and split planes (outlines as drawn)
VBUS on Int2 (PWR) "VBUS_L03_P034" (solid, remove dead copper, pour order 34): 0,3 0,97 cw(c3,97) 3,100 63,100 cw(c63,97) 66,97 66,3 cw(c63,3) 63,0 3,0 cw(c3,3)
+3V3 on Int2 (PWR) "Int2 (PWR)-+3V3" (solid, pour order 10): 40.561,94 ccw(c40.561,95.957) 42.517,95.957 42.517,97 42.509,100 0,100 0,0 38.5,0 38.5,28.1 3,28.1 3,61.7 26.825,61.7 ccw(c26.825,63.4) 28.525,63.4 28.525,77.85 28.525,91.8 cw(c30.725,91.8) 30.725,94 35.525,94
NetC22_B on Int2 (PWR) "NETC22_B_L03_P015" (solid, pour order 15): 0.075,45.819 0.075,62.744 13,62.744 13,53.269 13,46.769 cw(c12.05,46.769) 12.05,45.819
VBat on Int2 (PWR) "VBAT_L03_P023" (solid, pour order 23): 40.275,35.5 ccw(c40.275,33.725) 38.5,33.725 38.5,28.35 2.075,28.35 2.075,39.1 23.837,39.1 43.8,39.1 cw(c43.8,37.3) 45.6,37.3 cw(c43.8,37.3) 43.8,35.5 42.05,35.5
GND on Top Layer "GND_L01_P043" (solid, remove dead copper, pour order 43): 0.005,2.995 0.005,96.995 cw(c3.005,96.995) 3.005,99.995 63.005,99.995 cw(c63.005,96.995) 66.005,96.995 66.005,2.995 cw(c63.005,2.995) 63.005,-0.005 3.005,-0.005 cw(c3.005,2.995)
VBat on Top Layer "VBAT_L01_P041" (solid, pour order 41): 44.625,41.077 44.625,40.85 cw(c44.175,40.85) 44.175,40.4 43.725,40.4 ccw(c43.725,40.375) 43.7,40.375 43.7,36.294 cw(c43.206,36.294) 43.206,35.8 42.425,35.8 cw(c42.425,36.375) 41.85,36.375 41.85,36.45 41.85,40.505 cw(c42.395,40.505) 42.395,41.05 42.94,41.05 ccw(c42.94,41.41) 43.3,41.41 cw(c43.652,41.403) 43.652,41.755 44.625,41.755
VBUS on Top Layer "VBUS_L01_P039" (solid, pour order 39): 43.767,46.261 cw(c44.156,46.261) 44.156,46.65 44.545,46.65 45.75,46.65 cw(c45.75,46.3) 46.1,46.3 46.097,46.125 46.097,42.328 cw(c45.828,42.328) 45.828,42.059 43.418,42.059 43.424,42.681 43.428,43.141 44.013,43.141 44.307,43.141 ccw(c44.307,43.431) 44.597,43.431 44.597,44.103 44.596,45.017 44.596,45.124 ccw(c44.393,45.124) 44.393,45.327 44.191,45.327 cw(c44.191,45.751) 43.767,45.751
VCharger on Top Layer "Top Layer-VCharger" (solid, pour order 38): 42.22,46.875 cw(c42.22,47.033) 42.061,47.033 42.059,47.143 42.059,48.242 42.059,49.293 cw(c42.376,49.293) 42.376,49.61 43.239,49.61 cw(c43.239,49.258) 43.591,49.258 43.556,45.295 ccw(c43.729,45.295) 43.73,45.122 44.041,45.124 cw(c44.041,44.813) 44.352,44.813 44.352,44.354 44.352,43.581 42.701,43.555 42.701,46.554 ccw(c42.38,46.554) 42.38,46.875
GND on Int1 (GND) "GND_L02_P033" (solid, remove dead copper, pour order 33): 0,3 0,97 cw(c3,97) 3,100 63,100 cw(c63,97) 66,97 66,3 cw(c63,3) 63,0 3,0 cw(c3,3)
GND on Bottom Layer "GND_L04_P035" (solid, remove dead copper, pour order 35): 0,3 0,97 cw(c3,97) 3,100 63,100 cw(c63,97) 66,97 66,3 cw(c63,3) 63,0 3,0 cw(c3,3)

## Other copper
Top Layer:
  drawing of 32 lines, arcs and shapes, not listed
Bottom Layer:
  region net VBat: 13.3,33.3 3.3,33.3 3.3,36.925 cw(c4.5,36.925) 4.5,38.125 12.1,38.125 cw(c12.1,36.925) 13.3,36.925
  region net GND: 3.3,23.28 13.3,23.28 13.3,19.655 cw(c12.1,19.655) 12.1,18.455 4.5,18.455 cw(c4.5,19.655) 3.3,19.655

## Silkscreen, mask and mechanical layers (free items; w line width, h text height)
Top Overlay:
  drawing of 11 lines, arcs and shapes, not listed
  text "ON" at 0.529,72.804 h1.52
  text "USB" at 14.129,61.529 h1.52
  text "OFF" at 0.529,60.779 h1.52
  text "PG" at 6.143,44.564 h1.3
  text "Charge status" at 0.525,42.694 h1.3
  text "Low Battery" at 1.618,40.594 h1.3
  text "Reset" at 22.854,26.279 h1.52
  text "Boot" at 59.429,26.279 h1.52
  text "Indoor Localization Unit" at 1.729,8.454 h1.52
  text "Syntronic 2024" at 1.729,4.95 h1.52
  text "Scan" at 48.329,3.679 h1.52
  text "ON" at 56.254,3.629 h1.52
Top Solder:
  drawing of 21 lines, arcs and shapes, not listed
Mechanical 1:
  the board outline again, w0.1